# Altium PCB RFFE.PcbDoc (part 1 of 7) (continued)
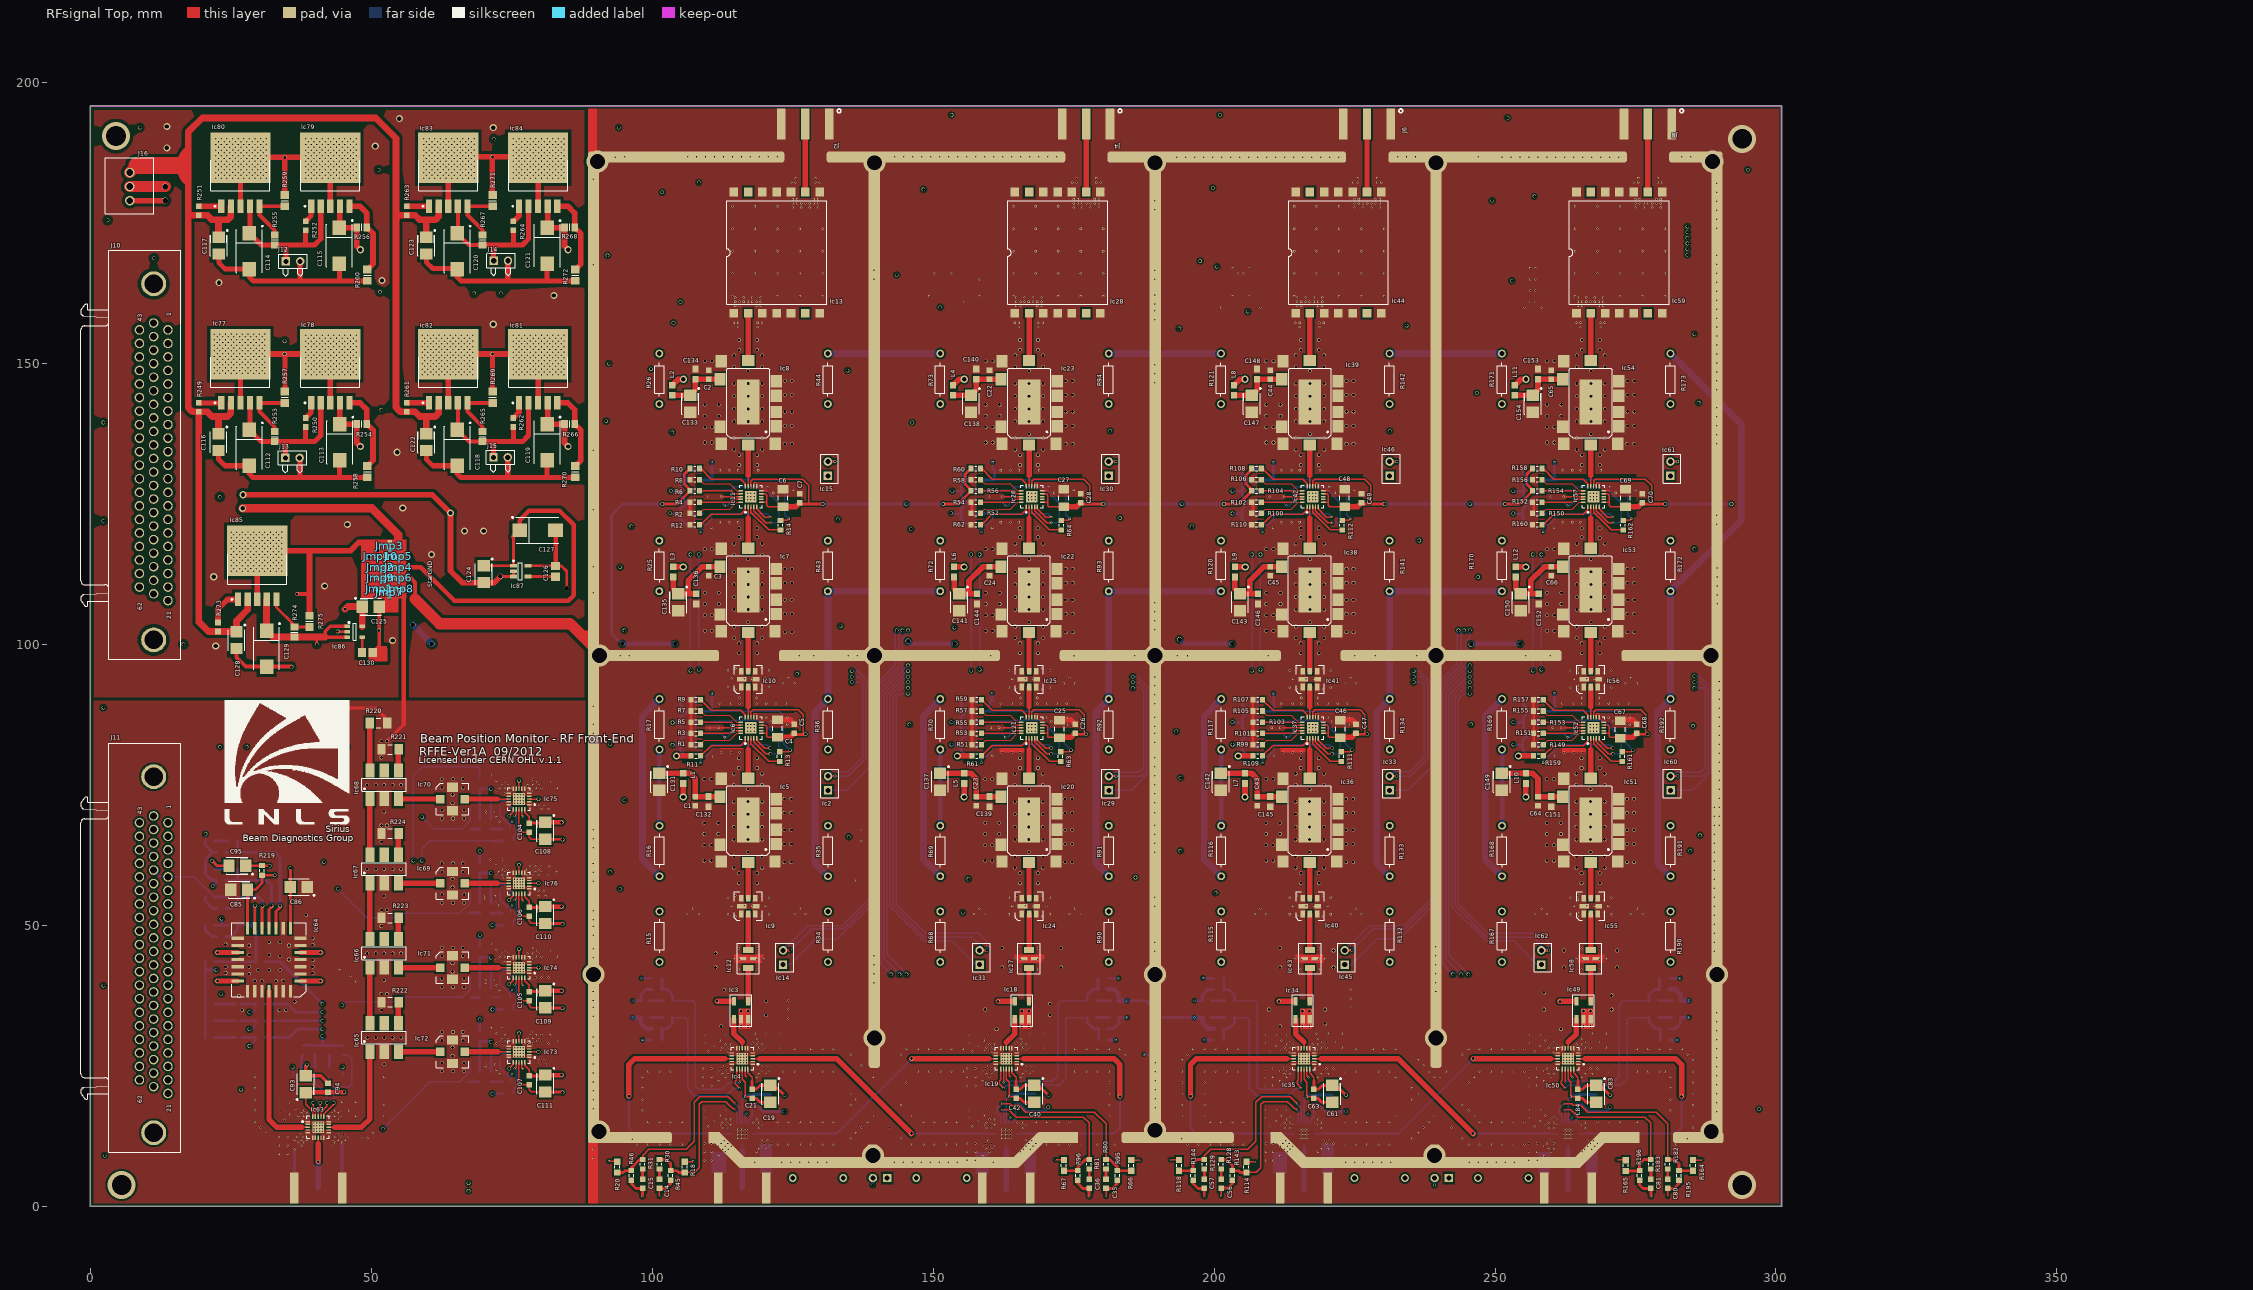
[diagram p0: RFsignal Top view]
## Components (designator, comment, footprint, x,y, rotation, side; value= is the part's Value field where it differs from the comment) (continued)
R75 "ERJ-3GEYJ101V" RESC1608N 159.75,86.15 r0 bottom
R76 "ERJ-3GEYJ101V" RESC1608N 159.75,82.15 r0 bottom
R77 "ERJ-3GEYJ101V" RESC1608N 160.03,131.3 r0 bottom
R78 "ERJ-3GEYJ101V" RESC1608N 160.03,127.3 r0 bottom
R79 "ERJ-3GEYJ101V" RESC1608N 160.03,123.3 r0 bottom
R80 "ERJ-3GEYJ101V" RESC1608N 180.75,7.45 r90 top
R81 "ERJ-3GEYJ101V" RESC1608N 177.75,7.45 r90 top
R82 "ERJ-3GEYJ101V" RESC1608N 178.25,33.57 r180 bottom
R83 "ERJ-3GEYJ101V" RESC1608N 178.25,36.57 r180 bottom
R84 "ERJ-3GEYJ103V" RESC1608N 157.75,88.15 r0 bottom
R85 "ERJ-3GEYJ103V" RESC1608N 157.75,84.15 r0 bottom
R86 "ERJ-3GEYJ103V" RESC1608N 157.75,80.15 r0 bottom
R87 "ERJ-3GEYJ103V" RESC1608N 157.93,129.3 r0 bottom
R88 "ERJ-3GEYJ103V" RESC1608N 157.93,125.3 r0 bottom
R89 "ERJ-3GEYJ103V" RESC1608N 158.03,121.3 r0 bottom
R90 "CMF5546R400FHEB" AXIAL9.0 181.25,50.75 r90 top
R91 "CMF5546R400FHEB" AXIAL9.0 181.25,66 r90 top
R92 "CMF5546R400FHEB" AXIAL9.0 181.25,83 r270 top
R93 "CMF5546R400FHEB" AXIAL9.0 181.23,116.75 r90 top
R94 "CMF5546R400FHEB" AXIAL9.0 181.23,144.5 r270 top
R95 "ERJ-3GEYJ103V" RESC1608N 182.75,5.45 r90 top
R96 "ERJ-3GEYJ103V" RESC1608N 175.75,5.45 r90 top
R97 "ERJ-3GEYJ103V" RESC1608N 180.25,31.57 r180 bottom
R98 "ERJ-3GEYJ103V" RESC1608N 180.25,38.57 r180 bottom
R99 "ERJ-3GEYJ103V" RESC1608N 207.74,82.15 r0 top
R100 "ERJ-3GEYJ103V" RESC1608N 207.54,123.32 r0 top
R101 "ERJ-3GEYJ103V" RESC1608N 207.74,84.15 r0 top
R102 "ERJ-3GEYJ103V" RESC1608N 207.54,125.32 r0 top
R103 "ERJ-3GEYJ103V" RESC1608N 207.74,86.15 r0 top
R104 "ERJ-3GEYJ103V" RESC1608N 207.54,127.32 r0 top
R105 "ERJ-3GEYJ103V" RESC1608N 207.74,88.15 r0 top
R106 "ERJ-3GEYJ103V" RESC1608N 207.54,129.32 r0 top
R107 "ERJ-3GEYJ103V" RESC1608N 207.74,90.15 r0 top
R108 "ERJ-3GEYJ103V" RESC1608N 207.54,131.32 r0 top
R109 "ERJ-3GEYJ103V" RESC1608N 207.74,80.15 r0 top
R110 "ERJ-3GEYJ103V" RESC1608N 207.54,121.32 r0 top
R111 "ERJ-3GEYJ103V" RESC1608N 222.66,80.04 r270 top
R112 "ERJ-3GEYJ103V" RESC1608N 222.8,121.23 r270 top
R113 "RES 0.0 OHM" RESC1608M 200.75,40.57 r0 bottom
R114 "RES 0.0 OHM" RESC1608M 205.75,6.95 r90 top
R115 "CMF5546R400FHEB" AXIAL9.0 201.25,50.75 r90 top
R116 "CMF5546R400FHEB" AXIAL9.0 201.25,66 r90 top
R117 "CMF5546R400FHEB" AXIAL9.0 201.25,83 r270 top
R118 "RES 0.0 OHM" RESC1608M 193.75,7.25 r90 top
R119 "RES 0.0 OHM" RESC1608M 200.75,29.57 r0 bottom
R120 "CMF5546R400FHEB" AXIAL9.0 201.23,116.75 r90 top
R121 "CMF5546R400FHEB" AXIAL9.0 201.23,144.5 r270 top
R122 "ERJ-3GEYJ101V" RESC1608N 209.75,90.15 r0 bottom
R123 "ERJ-3GEYJ101V" RESC1608N 209.75,86.15 r0 bottom
R124 "ERJ-3GEYJ101V" RESC1608N 209.75,82.15 r0 bottom
R125 "ERJ-3GEYJ101V" RESC1608N 209.73,131.3 r0 bottom
R126 "ERJ-3GEYJ101V" RESC1608N 209.73,127.3 r0 bottom
R127 "ERJ-3GEYJ101V" RESC1608N 209.73,123.3 r0 bottom
R128 "ERJ-3GEYJ101V" RESC1608N 201.25,7.45 r90 top
R129 "ERJ-3GEYJ101V" RESC1608N 198.25,7.45 r90 top
R130 "ERJ-3GEYJ101V" RESC1608N 202.75,33.57 r0 bottom
R131 "ERJ-3GEYJ101V" RESC1608N 202.75,36.57 r0 bottom
R132 "CMF5546R400FHEB" AXIAL9.0 231.25,50.75 r90 top
R133 "CMF5546R400FHEB" AXIAL9.0 231.25,66 r90 top
R134 "CMF5546R400FHEB" AXIAL9.0 231.25,83 r270 top
R135 "ERJ-3GEYJ103V" RESC1608N 207.75,88.15 r0 bottom
R136 "ERJ-3GEYJ103V" RESC1608N 207.75,84.15 r0 bottom
R137 "ERJ-3GEYJ103V" RESC1608N 207.75,80.15 r0 bottom
R138 "ERJ-3GEYJ103V" RESC1608N 207.73,129.3 r0 bottom
R139 "ERJ-3GEYJ103V" RESC1608N 207.73,125.3 r0 bottom
R140 "ERJ-3GEYJ103V" RESC1608N 207.73,121.3 r0 bottom
R141 "CMF5546R400FHEB" AXIAL9.0 231.23,116.75 r90 top
R142 "CMF5546R400FHEB" AXIAL9.0 231.23,144.5 r270 top
R143 "ERJ-3GEYJ103V" RESC1608N 203.25,5.45 r90 top
R144 "ERJ-3GEYJ103V" RESC1608N 196.25,5.45 r90 top
R145 "ERJ-3GEYJ103V" RESC1608N 200.75,31.57 r0 bottom
R146 "ERJ-3GEYJ103V" RESC1608N 200.75,38.57 r0 bottom
R147 "CMF5546R400FHEB" AXIAL9.0 226.69,5 r180 bottom
R148 "CMF5546R400FHEB" AXIAL9.0 254.25,5 r0 bottom
R149 "ERJ-3GEYJ103V" RESC1608N 257.74,82.15 r0 top
R150 "ERJ-3GEYJ103V" RESC1608N 257.54,123.32 r0 top
R151 "ERJ-3GEYJ103V" RESC1608N 257.74,84.15 r0 top
R152 "ERJ-3GEYJ103V" RESC1608N 257.54,125.32 r0 top
R153 "ERJ-3GEYJ103V" RESC1608N 257.74,86.15 r0 top
R154 "ERJ-3GEYJ103V" RESC1608N 257.54,127.32 r0 top
R155 "ERJ-3GEYJ103V" RESC1608N 257.74,88.15 r0 top
R156 "ERJ-3GEYJ103V" RESC1608N 257.54,129.32 r0 top
R157 "ERJ-3GEYJ103V" RESC1608N 257.74,90.15 r0 top
R158 "ERJ-3GEYJ103V" RESC1608N 257.54,131.32 r0 top
R159 "ERJ-3GEYJ103V" RESC1608N 257.74,80.15 r0 top
R160 "ERJ-3GEYJ103V" RESC1608N 257.54,121.32 r0 top
R161 "ERJ-3GEYJ103V" RESC1608N 272.66,80.04 r270 top
R162 "ERJ-3GEYJ103V" RESC1608N 272.8,121.23 r270 top
R163 "RES 0.0 OHM" RESC1608M 280.25,40.57 r180 bottom
R164 "RES 0.0 OHM" RESC1608M 285.25,7.25 r90 top
R165 "RES 0.0 OHM" RESC1608M 273.26,7.21 r90 top
R166 "RES 0.0 OHM" RESC1608M 280.25,29.57 r180 bottom
R167 "CMF5546R400FHEB" AXIAL9.0 251.25,50.75 r90 top
R168 "CMF5546R400FHEB" AXIAL9.0 251.25,66 r90 top
R169 "CMF5546R400FHEB" AXIAL9.0 251.25,83 r270 top
R170 "CMF5546R400FHEB" AXIAL9.0 251.23,116.75 r90 top
R171 "CMF5546R400FHEB" AXIAL9.0 251.23,144.5 r270 top
R172 "CMF5546R400FHEB" AXIAL9.0 281.23,116.75 r90 top
R173 "CMF5546R400FHEB" AXIAL9.0 281.23,144.5 r270 top
R174 "ERJ-3GEYJ101V" RESC1608N 259.75,90.15 r0 bottom
R175 "ERJ-3GEYJ101V" RESC1608N 259.75,86.15 r0 bottom
R176 "ERJ-3GEYJ101V" RESC1608N 259.75,82.15 r0 bottom
R177 "ERJ-3GEYJ101V" RESC1608N 259.73,131.33 r0 bottom
R178 "ERJ-3GEYJ101V" RESC1608N 259.73,127.33 r0 bottom
R179 "ERJ-3GEYJ101V" RESC1608N 259.73,123.33 r0 bottom
R180 "ERJ-3GEYJ101V" RESC1608N 278.25,33.57 r180 bottom
R181 "ERJ-3GEYJ101V" RESC1608N 278.25,36.57 r180 bottom
R182 "ERJ-3GEYJ101V" RESC1608N 280.75,7.45 r90 top
R183 "ERJ-3GEYJ101V" RESC1608N 277.75,7.45 r90 top
R184 "ERJ-3GEYJ103V" RESC1608N 257.75,88.15 r0 bottom
R185 "ERJ-3GEYJ103V" RESC1608N 257.75,84.11 r0 bottom
R186 "ERJ-3GEYJ103V" RESC1608N 257.75,80.15 r0 bottom
R187 "ERJ-3GEYJ103V" RESC1608N 257.73,129.33 r0 bottom
R188 "ERJ-3GEYJ103V" RESC1608N 257.73,125.33 r0 bottom
R189 "ERJ-3GEYJ103V" RESC1608N 257.73,121.33 r0 bottom
R190 "CMF5546R400FHEB" AXIAL9.0 281.25,50.75 r90 top
R191 "CMF5546R400FHEB" AXIAL9.0 281.25,66 r90 top
R192 "CMF5546R400FHEB" AXIAL9.0 281.25,83 r270 top
R193 "ERJ-3GEYJ103V" RESC1608N 280.25,31.57 r0 bottom
R194 "ERJ-3GEYJ103V" RESC1608N 280.25,38.57 r0 bottom
R195 "ERJ-3GEYJ103V" RESC1608N 282.75,5.45 r270 top
R196 "ERJ-3GEYJ103V" RESC1608N 275.75,5.45 r270 top
R197 "ERJ-3GEYJ100V" RESC1608N 21.25,43.5 r0 bottom
R198 "ERJ-3GEYJ100V" RESC1608N 21.25,36 r0 bottom
R199 "ERJ-3GEYJ100V" RESC1608N 21.25,30 r0 bottom
R200 "ERJ-3GEYJ100V" RESC1608N 21.25,33 r0 bottom
R201 "ERJ-3GEYJ103V" RESC1608N 30.25,33 r180 bottom
R202 "ERJ-3GEYJ103V" RESC1608N 30.25,30 r180 bottom
R203 "ERJ-3GEYJ103V" RESC1608N 30.25,43.5 r180 bottom
R204 "ERJ-3GEY0R00V" CAPC1608N 36.75,23.02 r0 bottom
R205 "ERJ-3GEYJ103V" RESC1608N 30.25,36 r180 bottom
R206 "ERJ-3GEY0R00V" CAPC1608N 45.67,23.03 r0 bottom
R207 "ERJ-3GEYJ101V" RESC1608N 42.5,23.89 r270 bottom
R208 "ERJ-3GEYJ101V" RESC1608N 39.93,23.87 r270 bottom
R209 "ERJ-3GEYJ101V" RESC1608N 23.25,53 r0 bottom
R210 "ERJ-3GEYJ101V" RESC1608N 23.25,48 r0 bottom
R211 "ERJ-3GEYJ101V" RESC1608N 25.25,65 r0 bottom
R212 "ERJ-3GEYJ101V" RESC1608N 25.25,60 r0 bottom
R213 "ERJ-3GEYJ103V" RESC1608N 44.81,27.72 r270 bottom
R214 "ERJ-3GEYJ103V" RESC1608N 37.86,27.78 r270 bottom
R215 "ERJ-3GEYJ103V" RESC1608N 25.25,55 r0 bottom
R216 "ERJ-3GEYJ103V" RESC1608N 25.25,50 r0 bottom
R217 "ERJ-3GEYJ103V" RESC1608N 23.25,63 r0 bottom
R218 "ERJ-3GEYJ103V" RESC1608N 23.25,58 r0 bottom
R219 "ERJ-3GEYJ101V" RESC1608N 30.5,59.75 r90 top
R220 "RES 50 OHM" RESC3216M 51.25,86 r180 top
R221 "RES 50 OHM" RESC3216M 53.31,81.32 r0 top
R222 "RES 50 OHM" RESC3216M 53.31,36.32 r0 top
R223 "RES 50 OHM" RESC3216M 53.31,51.32 r180 top
R224 "RES 50 OHM" RESC3216M 53.31,66.32 r180 top
R225 "RES 0.0 OHM" RESC1608M 74.25,35 r180 bottom
R226 "RES 0.0 OHM" RESC1608M 74.25,50 r180 bottom
R227 "RES 0.0 OHM" RESC1608M 74.25,20 r180 bottom
R228 "RES 0.0 OHM" RESC1608M 74.25,65 r180 bottom
R229 "RES 0.0 OHM" RESC1608M 69.25,45.25 r90 bottom
R230 "RES 0.0 OHM" RESC1608M 69.25,60.25 r90 bottom
R231 "RES 0.0 OHM" RESC1608M 69.25,30.25 r90 bottom
R232 "RES 0.0 OHM" RESC1608M 69.25,75.25 r90 bottom
R233 "ERJ-3GEYJ101V" RESC1608N 69.25,23 r90 bottom
R234 "ERJ-3GEYJ101V" RESC1608N 71.25,23 r90 bottom
R235 "ERJ-3GEYJ101V" RESC1608N 69.25,38 r90 bottom
R236 "ERJ-3GEYJ101V" RESC1608N 71.25,38 r90 bottom
R237 "ERJ-3GEYJ101V" RESC1608N 69.25,68 r90 bottom
R238 "ERJ-3GEYJ101V" RESC1608N 71.25,68 r90 bottom
R239 "ERJ-3GEYJ101V" RESC1608N 69.25,53 r90 bottom
R240 "ERJ-3GEYJ101V" RESC1608N 71.25,53 r90 bottom
R241 "ERJ-3GEYJ103V" RESC1608N 68.45,26.1 r0 bottom
R242 "ERJ-3GEYJ103V" RESC1608N 72.05,26.1 r180 bottom
R243 "ERJ-3GEYJ103V" RESC1608N 68.45,41.1 r0 bottom
R244 "ERJ-3GEYJ103V" RESC1608N 72.05,41.1 r180 bottom
R245 "ERJ-3GEYJ103V" RESC1608N 68.45,71.1 r0 bottom
R246 "ERJ-3GEYJ103V" RESC1608N 72.05,71.1 r180 bottom
R247 "ERJ-3GEYJ103V" RESC1608N 68.45,56.1 r0 bottom
R248 "ERJ-3GEYJ103V" RESC1608N 72.05,56.1 r180 bottom
R249 "ERJ-3GEY0R00V" CAPC1608N 19.25,142.2 r270 top
R250 "ERJ-3GEY0R00V" CAPC1608N 38.25,139.5 r270 top
R251 "ERJ-3GEY0R00V" CAPC1608N 19.25,177.2 r270 top
R252 "ERJ-3GEY0R00V" CAPC1608N 38.25,174.5 r270 top
R253 "RES 4.7K" RESC2012N 32.75,137 r90 top
R254 "RES 4.7K" RESC2012N 48.25,139.25 r0 top
R255 "RES 4.7K" RESC2012N 32.75,172 r90 top
R256 "RES 4.7K" RESC2012N 48.25,174.25 r0 top
R257 "RES 1.0K" RESC2012M 34.55,144 r90 top
R258 "RES 1.5K" RESC2012M 49.25,130.75 r270 top
R259 "RES 1.0K" RESC2012M 34.55,179 r90 top
R260 "RES 1.5K" RESC2012M 49.25,165.75 r270 top
R261 "ERJ-3GEY0R00V" CAPC1608N 56.25,142.2 r270 top
R262 "ERJ-3GEY0R00V" CAPC1608N 75.25,139.5 r270 top
R263 "ERJ-3GEY0R00V" CAPC1608N 56.25,177.2 r270 top
R264 "ERJ-3GEY0R00V" CAPC1608N 75.25,174.5 r270 top
R265 "RES 4.7K" RESC2012N 69.75,137 r90 top
R266 "RES 4.7K" RESC2012N 85.25,139.25 r0 top
R267 "RES 4.7K" RESC2012N 69.75,172 r90 top
R268 "RES 4.7K" RESC2012N 85.25,174.25 r0 top
R269 "RES 1.0K" RESC2012M 71.55,144 r90 top
R270 "RES 1.5K" RESC2012M 86.25,130.75 r270 top
R271 "RES 1.0K" RESC2012M 71.55,179 r90 top
R272 "RES 1.5K" RESC2012M 86.25,165.75 r270 top
R273 "ERJ-3GEY0R00V" CAPC1608N 22.65,103.1 r270 top
R274 "RES 4.7K" RESC2012N 36.25,102.2 r90 top
R275 "RES 1.0K" RESC2012M 38.95,104.1 r90 top

## Footprints (in the part's own frame and the unit in brackets; to place one, negate y for a bottom-side part, rotate by r counter-clockwise, add the part's x,y. Pads: shape width x height; smd on the part's side, far side on the other; paste and mask are expansions set on the pad)
AF320 [mm]
  rect 1.52x1.52 smd: 1(0,0) 3(4.32,0)
  rect 2.03x1.65 smd: 2(2.16,-2.095) 4(2.16,2.095)
  silkscreen extent -0.72,-2.82 5.05,2.82, body extent 0,-1.99 4.3,2, height 1.45
AN1102 [mm]
  rect 0.56x2.21 smd: 1(5.6,1.79) 2(6.87,1.79) 3(8.14,1.79) 4(9.41,1.79) 12(9.41,-9.41) 13(8.14,-9.41) 14(6.87,-9.41) 15(5.6,-9.41) 16(4.33,-9.41) 17(3.06,-9.41) 18(1.79,-9.41) 26(1.79,1.79) 27(3.06,1.79) 28(4.33,1.79)
  rect 2.21x0.56 smd: 5(11.2,0) 6(11.2,-1.27) 7(11.2,-2.54) 8(11.2,-3.81) 9(11.2,-5.08) 10(11.2,-6.35) 11(11.2,-7.62) 19(0,-7.62) 20(0,-6.35) 21(0,-5.08) 22(0,-3.81) 23(0,-2.54) 24(0,-1.27) 25(0,0)
  silkscreen extent -1,-10.41 12.2,2.79, body extent -0.9,-10.32 12.1,2.7, height 1.55
AT1029 [mm]
  rect 1.52x0.76 smd: 1(3.15,0) 2(3.15,-1.27) 3(3.15,-2.54) 4(0,-2.54) 6(0,0)
  silkscreen extent -1.15,-3.18 4.4,0.64, body extent 0,-2.55 3.2,0, height 3.94
AXIAL3 [mm] "CONN TERM BLK HDR 2.5MM 3POS"
  round 1.7 hole 1.2: 1(0,0) 2(2.5,0) 3(5,0)
  silkscreen extent -2.6,-4.4 7.3,4.25, body extent -2.35,-4.15 7.05,4, height 10.1
AXIAL9.0 [mm] "RES 46.4 OHM 1% 50PPM 1/2W"
  round 1.4 hole 0.85: 1(-7.275,0) 2(1.715,0)
  silkscreen extent -5.68,-0.85 0.3,0.83, body extent -7.47,-1.14 2.11,1.16, height 4.14
CAPC1608M [mm] "Chip Capacitor, Body 1.6x0.8mm, IPC Low Density"
  rect 1.2x1.1 smd: 1(-0.9,0) 2(0.9,0)
  body extent -0.87,-0.48 0.87,0.48, height 0.85
CAPC1608N [mm] "Chip Capacitor, Body 1.6x0.8mm, IPC Medium Density"
  rect 1x1 smd: 1(-0.8,0) 2(0.8,0)
  body extent -0.87,-0.48 0.87,0.48, height 0.85
CAPC2012M [mm] "Chip Capacitor, Body 2.0x1.3mm, IPC Low Density"
  rect 1.5x1.6 smd: 1(-0.95,0) 2(0.95,0)
  body extent -1.1,-0.72 1.1,0.72, height 1.1
CAPC3216M [mm] "Chip Capacitor, Body 3.2x1.6mm, IPC Low Density"
  rect 1.5x1.9 smd: 1(-1.55,0) 2(1.55,0)
  silkscreen extent -0.4,-0.85 0.4,0.85, body extent -1.7,-0.9 1.7,0.9, height 1.35
CD542 [mm] "Minicircuits-ADC-10-4"
  rect 2.54x1.65 smd: 1(-2.54,2.54) 2(-2.54,0) 3(-2.54,-2.54) 4(2.54,-2.54) 5(2.54,0) 6(2.54,2.54)
  silkscreen extent -1.12,-3.95 1.12,3.95, body extent -2.8,-3.94 2.8,3.94, height 2.84
D-SUB62 [mm] "CONN D-SUB PLUG R/A 62POS 30GOLD"
  round 1.7 hole 1.25: 1(0,0) 2(-2.41,0) 3(-4.82,0) 4(-7.23,0) 5(-9.64,0) 6(-12.05,0) 7(-14.46,0) 8(-16.87,0) 9(-19.28,0) 10(-21.69,0) 11(-24.1,0) 12(-26.51,0) 13(-28.92,0) 14(-31.33,0) 15(-33.74,0) 16(-36.15,0) 17(-38.56,0) 18(-40.97,0) 19(-43.38,0) 20(-45.79,0) 21(-48.2,0) 22(1.205,2.54) 23(-1.205,2.54) 24(-3.615,2.54) 25(-6.025,2.54) 26(-8.435,2.54) 27(-10.845,2.54) 28(-13.255,2.54) 29(-15.665,2.54) 30(-18.075,2.54) 31(-20.485,2.54) 32(-22.895,2.54) 33(-25.305,2.54) 34(-27.715,2.54) 35(-30.125,2.54) 36(-32.535,2.54) 37(-34.945,2.54) 38(-37.355,2.54) 39(-39.765,2.54) 40(-42.175,2.54) 41(-44.585,2.54) 42(-46.995,2.54) 43(0,5.08) 44(-2.41,5.08) 45(-4.82,5.08) 46(-7.23,5.08) 47(-9.64,5.08) 48(-12.05,5.08) 49(-14.46,5.08) 50(-16.87,5.08) 51(-19.28,5.08) 52(-21.69,5.08) 53(-24.1,5.08) 54(-26.51,5.08) 55(-28.92,5.08) 56(-31.33,5.08) 57(-33.74,5.08) 58(-36.15,5.08) 59(-38.56,5.08) 60(-40.97,5.08) 61(-43.38,5.08) 62(-45.79,5.08)
  round 4.45 hole 3.3: 63(-55.19,2.54) 64(8.2,2.54)
  silkscreen extent -58.64,-2.3 14.16,15.51, body extent -58.5,-2.15 14,10.4, height 12.5
DBV005 [mm] "TPS73030"
  rect 1x0.6 smd: 1(0,0) 2(0,-0.95) 3(0,-1.9) 4(2.7,-1.9) 5(2.7,0)
  silkscreen extent 0.2,-2.45 1.6,0.82, body extent 0.48,-2.47 2.22,0.58, height 1.45
"DD PAK" [mm]
  rect 2.4x1.1 smd: 1(0,0.004) 2(0,-1.698) 3(0,-3.4) 4(0,-5.102) 5(0,-6.804)
  rect 9x10.7 smd: 6(8.65,-3.4)
  silkscreen extent -0.12,-8.65 8.15,1.85, body extent 2.75,-8.67 12.15,1.88, height 4.57
DG983-1 [mm]
  rect 0.81x0.25 smd: 1(-1.845,1) 2(-1.845,0.5) 3(-1.845,0) 4(-1.845,-0.5) 5(-1.845,-1) 11(1.845,-1) 12(1.845,-0.5) 13(1.845,0) 14(1.845,0.5) 15(1.845,1)
  rect 0.25x0.81 smd: 6(-1,-1.845) 7(-0.5,-1.845) 8(0,-1.845) 9(0.5,-1.845) 10(1,-1.845) 16(1,1.845) 17(0.5,1.845) 18(0,1.845) 19(-0.5,1.845) 20(-1,1.845)
  rect 2.06x2.06 smd: 21(0,0)
  silkscreen extent -2.93,-2 2,2, body extent -2,-2 2,2, height 0.9
FV1206 [mm]
  rect 1.04x1.8 smd: 1(0,0) 3(3.25,0)
  rect 0.61x1.245 smd: 2(1.65,-0.927) 4(1.65,0.927)
  silkscreen extent -1.05,-1.97 4.45,1.99, body extent 0.05,-1.2 3.4,1.16, height 1
HDR1X2H [mm]
  rect 1.5x1.5 hole 0.9: 1(0,0)
  round 1.5 hole 0.9: 2(2.54,0)
  silkscreen extent -1.27,-2.65 3.81,1.3
HDR1X2Ha [mm] "Connector Header"
  rect 1.5x1.5 hole 0.9: 1(0,0)
  round 1.5 hole 0.9: 2(2.54,0)
  silkscreen extent -1.27,-2.65 3.81,1.3
HU1186 [mm]
  rect 1.52x1.52 smd: 1(0,0) 2(0,-2.54) 3(0,-5.08) 4(0,-7.62) 5(0,-10.16) 6(0,-12.7) 7(0,-15.24) 8(21.59,-15.24) 9(21.59,-12.7) 10(21.59,-10.16) 11(21.59,-7.62) 12(21.59,-5.08) 13(21.59,-2.54) 14(21.59,0)
  silkscreen extent 1.59,-16.51 20,1.27, body extent 1.49,-16.61 20.1,1.37, height 6.35
JQ1382 [mm]
  rect 2.2x2 smd: 1(3.1,0) 2(5.65,0) 3(8.55,0) 4(11.1,0) 6(14.7,9.8) 7(11.5,10) 8(3,10) 9(0,9.8) 11(0,0.2)
  rect 2x2.2 smd: 5(14.8,5) 10(-0.2,5)
  rect 8x4 smd: 12(7.4,5)
  rect 0x0 smd: 13(3.73,3.434) 14(5.88,3.434) 15(6.23,5.934) 16(6.23,3.784) 17(8.73,3.434) 18(6.58,3.434) 19(6.23,0.934) 20(6.23,3.084)
  silkscreen extent 1.06,1.17 13.44,8.81, body extent 0.22,0.57 14.14,10.46, height 3
RESC1005L [mm] "Chip Resistor, Body 1.1x0.5mm, IPC High Density"
  rect 0.6x0.6 smd: 1(-0.5,0) 2(0.5,0)
  body extent -0.55,-0.3 0.55,0.3, height 0.4
RESC1608M [mm] "Chip Resistor, Body 1.6x0.8mm, IPC Low Density"
  rect 1.1x1.1 smd: 1(-0.95,0) 2(0.95,0)
  silkscreen extent -0.2,-0.45 0.2,0.45, body extent -0.85,-0.48 0.85,0.48, height 0.6
RESC1608N [mm] "Chip Resistor, Body 1.6x0.8mm, IPC Medium Density"
  rect 0.9x1 smd: 1(-0.85,0) 2(0.85,0)
  silkscreen extent -0.2,-0.4 0.2,0.4, body extent -0.85,-0.48 0.85,0.48, height 0.6
RESC2012M [mm] "Chip Resistor, Body 2.0x1.3mm, IPC Low Density"
  rect 1.4x1.5 smd: 1(-1,0) 2(1,0)
  silkscreen extent 0,-0.65 0,0.65, body extent -1.07,-0.7 1.07,0.7, height 0.65
RESC2012N [mm] "Chip Resistor, Body 2.0x1.3mm, IPC Medium Density"
  rect 1.2x1.4 smd: 1(-0.9,0) 2(0.9,0)
  silkscreen extent 0,-0.6 0,0.6, body extent -1.07,-0.7 1.07,0.7, height 0.65
RESC3216M [mm] "Chip Resistor, Body 3.2x1.6mm, IPC Low Density"
  rect 1.5x1.9 smd: 1(-1.55,0) 2(1.55,0)
  silkscreen extent -0.4,-0.85 0.4,0.85, body extent -1.68,-0.87 1.68,0.87, height 0.71
RTDX2 [mm] "Footprint model for RTD PT100 US sensor"
  rect 1.5x1.5 hole 0.9: 1(0,0)
  round 1.5 hole 0.9: 2(2.54,0)
  round 0.5 hole 0.4: 3(2.56,-1.27)
  RFsignal Top region: 2.35,-1.27 2.775,-1.27 2.775,0 2.35,0
  silkscreen extent -1.27,-1.88 3.81,1.27, body extent -0.2,-0.75 2.74,0.75, height 6.8
SMAEDGE50R [mm] "SMA connector for RF board edge"
  rect 1.524x5.5 smd: 1(0,0) 2(8.5,0)
  rect 1.524x5.5 smd far side: 3(0,0) 4(8.5,0)
  rect 1.5x5.5 smd: 5(4.25,0)
  silkscreen extent -2.11,-2.68 -1.44,-2, body extent -0.75,-17.1 9.25,2, height 3.96
STRGND [mm]
  rect 0.8x0.8 smd paste+0 mask+0: 1(-0.5,0) 2(0.85,0)
TC3528-1411 [mm] "Capacitor, SM Tantalum; Body 3.5 x 2.8 mm (LxW typ)"
  rect 2x2.2 smd: 1(-1.5,0) 2(1.5,0)
  silkscreen extent -2.82,-1.5 1.85,1.63, body extent -1.75,-1.25 1.75,1.29, height 1.9
TC7343-2917 [mm] "Capacitor, SM Tantalum; Body 7.3 x 4.3 mm (LxW typ)"
  rect 2.6x2.4 smd: 1(-3.2,0) 2(3.2,0)
  silkscreen extent -4.57,-2.3 3.8,2.43, body extent -3.7,-2.02 3.71,2.06, height 4
TSOT-23 [mm]
  rect 1.2x0.65 smd: 1(0,0) 2(0,-0.95) 3(0,-1.9) 4(2.6,-1.9) 5(2.6,0)
  silkscreen extent -0.12,-2.45 1.6,1, body extent 0.38,-2.45 2.12,0.55, height 1
TST-TA1114A [mm] "SMD3.8x3.8"
  rect 1.19x0.81 smd: 1(-2.49,0.225) 2(-2.49,-1.045) 3(-2.49,-2.315) 5(0.33,-2.315) 6(0.33,-1.045) 7(0.33,0.225)
  rect 0.81x1.19 smd: 4(-1.08,-2.445)
  rect 0.81x1.7 smd: 8(-1.08,0.121)
  silkscreen extent -3.58,-3.58 1.42,1.42, body extent -3.01,-2.91 0.8,0.84, height 1.3